# KiCad board ECU.kicad_pcb (continued)
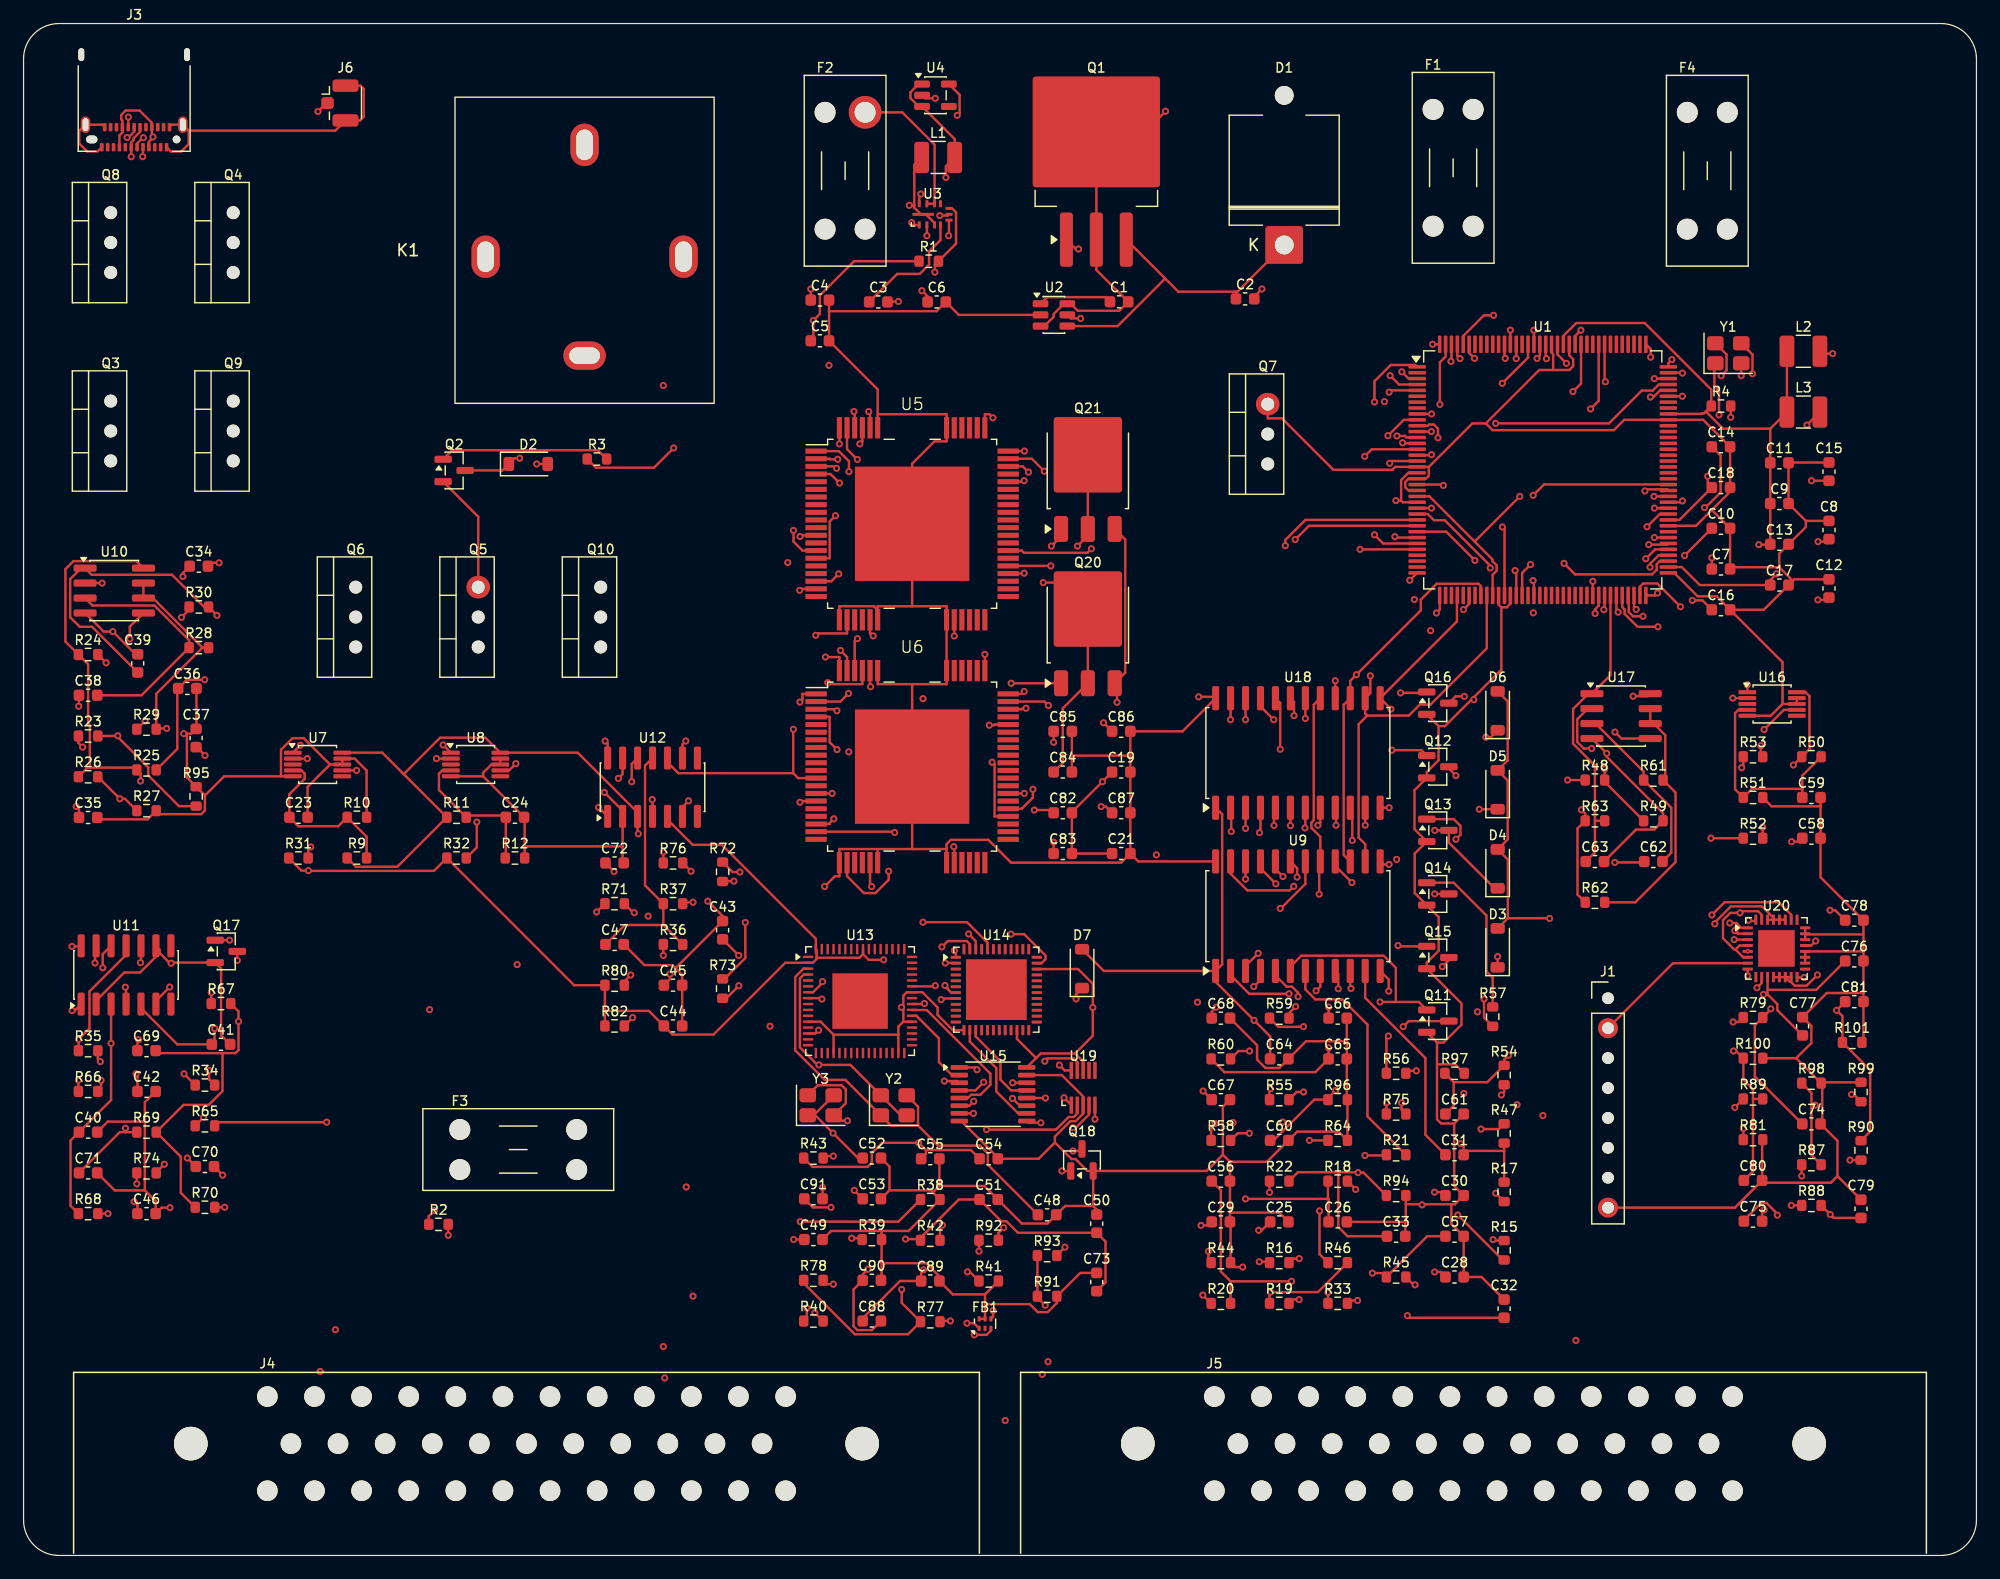
[diagram p0: board, top side]
## Routing (per net, layer and track width the routed paths; a pad name or vN(x,y) marks a point on that pad's centre or on a via; arc(x,y) is an arc through that point) (continued)
VBATT_ADC: length 43.4
  Top w0.2: C58.1 150.72,60.61 v1(150.11,60.61) ; U1.63 v1(133.23,82.72) ; 137.54,62.39 134.23,65.7 R48.2 v1(134.23,66.79)
  In3.Cu w0.2: v1(133.23,82.72) 132.58,82.07 132.58,68.3 134.09,66.79 v1(134.23,66.79)
  In6.Cu w0.2: v1(134.23,66.79) 143.93,66.79 v1(150.11,60.61)
VBATT_IGN: length 199.9
  In2.Cu w0.2: F4.2 F4.2
  In3.Cu w0.2: v1(83.34,11.46) 99.12,27.24 99.12,74.7 117.84,93.43 117.84,99.14 F4.2
  In6.Cu w0.2: J4.13 24.66,11.46 v1(83.34,11.46)
VBATT_INJ: length 28.6
  In1.Cu w0.2: F3.2 F3.2 46.96,27.76 J4.4
VBATT_SW: length 420.1
  Top w0.2: C76.1 152.2,48.03 148.07,48.03 ; U20.31 147.57,54.4 147.25,54.71 145.87,54.71 v1(145.72,54.57) 144.9,54.57 144.28,53.95 144.28,52.41 145.23,51.46 145.35,51.46 ; C25.1 105.12,27.61 v1(104.86,27.61) ; v1(129.56,54.09) 129.54,54.11 126.02,54.11 ; D3.2 126.02,54.11 ; 126.02,54.11 126.02,59.09 D4.2 126,60.81 126,65.81 D5.2 126,67.52 126,72.52 D6.2 ; D7.2 91.71,49.64 U9.1 ; U18.1 101.76,62.94 101.76,50.19 U9.1 ; U20.4 145.69,51.8 145.35,51.46 ; U9.1 101.21,48.71 v1(104.47,45.44) 105.84,44.08 C64.1 ; 145.35,51.46 145.35,51.45 146,50.8 U20.6 ; 148.07,48.03 148.07,47.64 ; 148.07,48.03 U20.11 ; 148.07,47.64 v1(147.73,47.64) ; 148.07,47.64 148.89,46.82 148.89,46.31 151.04,44.16 ; C75.2 147.6,29.18 v1(147.77,29.35)
  In1.Cu w0.2: J5.14 107.1,25.37 v1(104.86,27.61) ; K1.87 45.58,101.89 45.58,44.7 F3.1 F3.1
  In2.Cu w0.2: F3.1 42.32,27.49 75.04,27.49 75.25,27.28 104.53,27.28 v1(104.86,27.61) 106.24,26.23 144.66,26.23 v1(147.77,29.35) ; v1(145.72,54.57) 145.35,54.94 130.41,54.94 v1(129.56,54.09) ; F4.1 F4.1
  In3.Cu w0.2: v1(147.77,29.35) 147.77,47.6 v1(147.73,47.64) 147.73,51.89 145.76,53.85 145.76,54.53 v1(145.72,54.57)
  In5.Cu w0.2: v1(145.72,54.57) 143.93,56.36 143.93,96.05 143.37,96.61 143.37,111.35 F4.1 ; v1(104.47,45.44) 104.86,45.05 v1(104.86,27.61)
VCC_INT: length 15.8
  Top w0.2: v1(66.84,107.54) C4.1 ; U3.5 78.57,112.1 v1(78.54,112.07)
  In2.Cu w0.2: v1(78.54,112.07) 74.01,107.54 v1(66.84,107.54)
VDD_ADC0: length 32.3
  Top w0.2: L2.2 152.71,102.06 v1(153.59,102.06) ; v1(148.82,83.36) 148.29,82.83 C17.1 142.31,82.41 140.78,83.94 U1.74
  In3.Cu w0.2: v1(153.59,102.06) 153.59,88.13 v1(148.82,83.36)
VDD_ADC1: length 17.7
  Top w0.2: U1.82 140.59,87.94 C18.1 142.99,91.03 v1(142.99,91.64) ; v1(151.41,95.99) L3.2
  In4.Cu w0.2: v1(142.99,91.64) 147.06,91.64 v1(151.41,95.99)
VDD_LV_DECOUP: length 77.2
  Top w0.2: C14.1 144.08,93.4 144.08,90.27 142.79,88.98 v1(142.71,88.98) ; 123.2,86.1 124.73,84.56 124.73,84.42 125.07,84.08 125.07,83.63 124.73,83.29 U1.46 ; 123.2,86.1 v1(127.03,89.93) ; 123.2,86.1 119.36,89.94 U1.23 ; C16.1 142.54,81.1 v1(141.68,81.1) ; C15.1 v1(151.8,91.26) ; U1.124 130.23,101.99 v1(130.99,101.23)
  In1.Cu w0.2: v1(130.99,101.23) 142.71,89.51 v1(142.71,88.98)
  In3.Cu w0.2: v1(141.68,81.1) 141.68,87.95 v1(142.71,88.98) ; v1(127.03,89.93) 127.03,97.28 v1(130.99,101.23)
  In4.Cu w0.2: v1(151.8,91.26) 144.99,91.26 v1(142.71,88.98)
VIN: length 180.9
  In2.Cu w0.2: F1.1 F1.1
  In3.Cu w0.2: v1(86.98,16.45) 90,19.47 90,73.62 111.4,95.02 111.4,104.61 F1.1
  In6.Cu w0.2: v1(86.98,16.45) 25.22,16.45 22.26,13.5 J4.1
VIN_FUSED: length 57.7
  Top w0.2: v1(96.95,122.64) 95.2,120.89 Q1.2 Q1.2 91.08,109.16 C1.2 93.03,105.7 89.5,105.7 88.9,106.3 U2.6 88.33,106.3 87.46,105.42 87.46,105.19 86.67,104.4 U2.3
  In2.Cu w0.2: F1.2 F1.2
  In4.Cu w0.2: v1(96.95,122.64) 97.46,122.13 119.01,122.13 F1.2
VIN_LOGIC: length 29.7
  Top w0.2: 76.7,114.79 U3.9 77.34,119.8 74.6,122.55 F2.2 ; v1(76.7,112.07) 76.7,112.99
  In1.Cu w0.2: F2.2 76.73,117.27 76.73,112.1 v1(76.7,112.07)
  In2.Cu w0.2: F2.2 F2.2
VIN_PROT: length 383.5
  Top w0.2: 65.34,66.43 55.59,66.43 54.67,67.35 U12.10 ; 65.34,66.43 65.34,70.14 v1(65.36,70.16) ; 65.34,66.43 65.76,66.01 67.29,66.01 ; 54.36,48.43 54.88,48.94 v1(54.88,49.36) ; U2.4 92.88,104.4 96.92,108.43 ; v1(9.55,40.9) 9.66,40.78 C42.1 ; Q21.3 93.53,86.28 93.53,74.96 Q20.3 92.84,73.87 v1(92.84,72.45) ; 67.29,86.63 66.13,86.63 66.02,86.52 v1(65.92,86.52) ; 102.94,107.32 C2.1 ; 102.94,107.32 103.06,107.32 D1.1 ; 102.94,107.32 98.04,107.32 96.92,108.43 ; 96.92,108.43 Q1.3 ; v1(9.93,50.34) 9.97,50.38 U11.10 ; D2.2 v1(43.56,92.69) ; C21.1 C83.2 C82.2 89.01,63.12 v1(91.6,65.71) C19.1 ; R48.1 v1(131.08,65.85)
  In1.Cu w0.2: v1(65.92,86.52) 65.92,110.5 F2.1 ; v1(9.55,40.9) 9.22,41.23 9.22,49.63 v1(9.93,50.34) ; K1.30 47.63,117.73 42.23,112.34 39.23,112.34 K1.86 ; v1(65.36,70.16) 59.71,64.51 59.71,54.92 54.88,50.09 v1(54.88,49.36)
  In2.Cu w0.2: K1.30 47.63,117.73 62.94,117.73 F2.1 F2.1 105.69,112.63 D1.1
  In3.Cu w0.2: v1(92.84,72.45) 92.84,66.95 v1(91.6,65.71) ; v1(65.36,70.16) 65.34,70.17 65.34,83.99 65.92,84.57 v1(65.92,86.52)
  In4.Cu w0.2: v1(131.08,65.85) 122.9,65.85 116.29,72.45 100.09,72.45 100,72.36 92.93,72.36 v1(92.84,72.45)
  In5.Cu w0.2: v1(43.56,92.69) 43.56,103.9 39.23,108.23 K1.86
  In6.Cu w0.2: v1(9.93,50.34) 9.93,49.96 12.2,47.69 12.64,47.69 13.75,48.8 41.42,48.8 42.5,49.88 54.36,49.88 v1(54.88,49.36) ; v1(65.36,70.16) 65.36,72.76 65.64,73.04 67.67,73.04 68.39,72.32 74.77,72.32 74.94,72.14 76.56,72.14 77.14,72.73 92.56,72.73 v1(92.84,72.45)
APP1_ADC: length 61.7
  Top w0.2: C78.1 153.81,54.79 v1(153.36,54.79) ; 151.79,38.24 151.79,34.01 R87.2 ; 151.79,38.24 v1(152.11,38.24) ; 151.79,38.24 151.79,39.28 R98.1 ; U1.68 135.73,80.53 135.93,80.33 135.93,79.96 137.03,78.86 v1(138.76,78.86)
  In3.Cu w0.2: v1(138.76,78.86) 138.76,69.4 v1(153.36,54.79)
  In5.Cu w0.2: v1(153.36,54.79) 153.36,39.49 v1(152.11,38.24)
APP1_SIG: length 36.9
  Top w0.2: v1(150.97,32.22) R87.1
  In5.Cu w0.2: v1(150.97,32.22) 150.97,31.76 134.98,15.77 134.98,12.93 133.1,11.06 133.1,9.28 129.32,5.5 J5.31
APP2_ADC: length 66.7
  Top w0.2: 156,28.66 153.68,28.66 v1(153.39,28.96) R88.2 ; R99.1 155.38,39.15 v1(155.2,39.15) ; v1(137.5,79.75) 136.64,79.75 136.28,80.12 136.28,81.47 U1.69
  In1.Cu w0.2: v1(153.39,28.96) 154.32,29.89 154.32,39.15 ; v1(155.2,39.15) 154.32,39.15 ; 154.32,39.15 137.64,55.83 137.64,79.61 v1(137.5,79.75)
APP2_SIG: length 32.3
  Top w0.2: R88.1 v1(150.08,29.73)
  In5.Cu w0.2: J5.32 133.34,5.5 137.22,9.38 137.22,10.06 139.1,11.93 139.1,18.32 150.08,29.3 v1(150.08,29.73)
BLE_ABS: length 7.7
  Top w0.2: U15.13 83.84,39.49 82.94,40.4 82.94,41.96 80.84,44.06 U14.15
BLE_ANT: length 111.2
  Top w0.2: v1(24.99,122.62) 25.71,123.34 J6.1 ; C91.2 v1(67.84,31.25)
  In5.Cu w0.2: v1(24.99,122.62) 24.99,74.98 67.84,32.14 v1(67.84,31.25)
BLE_FAB: length 9.5
  Top w0.2: U15.10 84.45,37.54 82.59,39.4 82.59,41.38 80.34,43.63 U14.14
BLE_OSC_A: length 33.2
  Top w0.2: 67.15,37.44 Y3.3 ; 67.15,37.44 67.08,37.38 Y3.1 ; 67.15,37.44 v1(68.73,35.86) 70.84,33.75 C52.1 ; U14.46 80.84,52.17 v1(80.24,52.77)
  In1.Cu w0.2: v1(68.73,35.86) 69.71,35.86 70.7,36.85 70.7,43.6 78.02,50.92 78.56,50.92 78.66,50.82 79.26,50.82 80.24,51.8 v1(80.24,52.77)
BLE_OSC_B: length 36.1
  Top w0.2: C53.1 v1(70.53,31.01) ; U14.47 80.34,51.91 80.08,52.17 78.47,52.17 v1(77.97,51.68) ; Y3.4 67.43,39.93 69.45,39.93 69.81,39.57 69.81,38.41 Y3.2 69.24,36.91 v1(69.94,36.91)
  In3.Cu w0.2: v1(70.53,31.01) 69.94,31.59 v1(69.94,36.91)
  In5.Cu w0.2: v1(77.97,51.68) 69.94,43.65 v1(69.94,36.91)
BLE_RESET_N: length 34.8
  Top w0.2: v1(68.75,33.91) 68.05,33.91 R43.2 ; v1(83.83,52.76) 84.95,52.76 86.76,50.94 86.76,50.63 86.43,50.3 U14.35
  In5.Cu w0.2: v1(83.83,52.76) 83.3,52.22 78.57,52.22 78.48,52.32 77.77,52.32 68.12,42.66 68.12,34.54 v1(68.75,33.91)
BLE_RF_N: length 35.5
  Top w0.2: v1(78.25,50.31) 79.14,50.31 U14.2 ; v1(80.72,18.73) 81.76,18.73 82.13,19.1 FB1.3
  In1.Cu w0.2: v1(80.72,18.73) 80.3,18.73 79.54,19.49 79.54,49.02 v1(78.25,50.31)
BLE_RF_OUT: length 19.9
  Top w0.2: v1(80.09,19.72) 80.69,19.72 FB1.1 ; 66.28,30.29 67.01,29.56 v1(68.55,29.56)
  In5.Cu w0.2: v1(68.55,29.56) 75.1,23 75.1,22.66 78.44,19.32 79.69,19.32 v1(80.09,19.72)
BLE_RF_P: length 33.4
  Top w0.2: U14.1 79.15,51.25 v1(79.02,51.38) ; FB1.4 82.32,20.28 v1(82.32,20.79)
  In5.Cu w0.2: v1(82.32,20.79) 82.32,48.09 v1(79.02,51.38)
BLE_RXD: length 12.5
  Top w0.2: v1(80.68,38.57) 80.3,38.19 U15.6 ; v1(77.9,47.2) 78,47.3 U14.8
  In5.Cu w0.2: v1(80.68,38.57) 77.9,41.34 v1(77.9,47.2)
BLE_TXD: length 10.9
  Top w0.2: v1(78.18,40.28) 79.31,40.28 U15.3 ; U14.7 78.76,47.8 78.45,48.11 78.45,48.19 v1(78.23,48.41)
  In1.Cu w0.2: v1(78.23,48.41) 78.46,48.17 78.46,40.57 v1(78.18,40.28)
BOOST_CTRL: length 126.6
  Top w0.2: U1.109 138.14,102.44 v1(138.14,101.75) ; v1(54.32,59.74) R76.1
  In1.Cu w0.2: v1(54.32,59.74) v1(54.32,99.35)
  In4.Cu w0.2: v1(138.14,101.75) 136.69,100.3 117.59,100.3 116.63,99.35 v1(54.32,99.35)
BOOST_GATE: length 44.1
  Top w0.2: R76.2 v1(56.67,58.1) ; Q18.1 v1(88.16,32.65)
  In3.Cu w0.2: v1(88.16,32.65) 81.56,32.65 58.64,55.57 58.64,56.13 v1(56.67,58.1)
BOOST_OUT: length 66.2
  Top w0.2: Q18.3 89.69,34.35 v1(89.1,34.35) ; D7.1 89.36,47.67 v1(89.36,47.26)
  In3.Cu w0.2: J4.32 52.92,5.5 56.7,9.28 56.7,11.06 58.51,12.87 58.51,13.55 62.15,17.19 74.03,17.19 89.1,32.26 v1(89.1,34.35) 89.65,34.9 89.65,46.97 v1(89.36,47.26)
BOOT_ABS: length 90.7
  Top w0.2: v1(86.76,38.84) U15.12 ; U1.105 138.83,99.44 138.32,98.92 137.39,98.92 134.61,96.14 v1(124.98,96.14)
  In5.Cu w0.2: v1(124.98,96.14) 87.27,58.43 87.27,39.35 v1(86.76,38.84)
BOOT_CAP: length 10.2
  Top w0.2: U3.4 77.84,111.7 76.88,110.73 76.88,109.62 76.08,108.82 74.17,108.82 C3.1
BOOT_FAB: length 99.8
  Top w0.2: U15.9 85.32,36.74 v1(86.37,36.74) ; U1.106 v1(138.45,99.94)
  In1.Cu w0.2: v1(115.54,97.98) 115.54,97.48 112.04,93.99 112.04,87.93 86.09,61.99 86.09,37.02 v1(86.37,36.74)
  In4.Cu w0.2: v1(138.45,99.94) 136.73,98.22 120.55,98.22 120.47,98.3 120.02,98.3 119.7,97.98 v1(115.54,97.98)
CAM2_BIAS: length 18
  Top w0.2: U16.4 145.59,71.81 145.31,71.52 145.31,65.06 R51.1 146.73,65.09 151.02,65.09 ; 151.02,65.09 C59.1 ; 151.02,65.09 151.02,66.23 R50.2
CAM2_COUT: length 56.6
  Top w0.2: U16.7 149.45,71.81 v1(147.77,70.13) ; v1(147.66,61.85) R52.2 ; v1(128.23,104.05) U1.128
  In1.Cu w0.2: v1(147.66,61.85) 148.08,62.27 148.08,69.83 v1(147.77,70.13) 147.15,70.76 147.15,85.23 146.77,85.6 146.77,86.23 128.95,104.05 v1(128.23,104.05)
CAM2_VR_HI: length 147.2
  Top w0.2: v1(146.35,73.94) U16.1
  In4.Cu w0.2: v1(146.35,73.94) 145.32,73.94 125.35,53.96 105.5,53.96 79.02,27.49 52.45,27.49 39.14,14.18 39.14,13.72 36.48,11.06 34.04,11.06 32.7,9.72 32.7,9.28 28.92,5.5 J4.26
CAM2_VR_LO: length 142.1
  Top w0.2: U16.2 v1(145.12,72.81)
  In4.Cu w0.2: v1(145.12,72.81) 121.39,49.08 120.06,49.08 100.36,29.38 81.51,29.38 77.35,25.22 54.2,25.22 42.7,13.72 42.7,13.28 41.32,11.9 38.88,11.9 36.7,9.72 36.7,9.28 32.92,5.5 J4.27
CAM_BIAS: length 12.8
  Top w0.2: R12.1 40.94,59.28 C24.1 40.79,62.84 37.74,62.84 R11.2 35.27,65 35.27,66.38 35.55,66.67 U8.4
CAM_COUT: length 103.8
  Top w0.2: v1(38.48,62.28) 38.48,60.12 R32.2 ; v1(120.09,94.91) 120.09,95.68 119.73,96.04 119.33,96.04 119.23,95.94 U1.11 ; v1(41.8,67.24) 41.22,66.67 U8.7
  In1.Cu w0.2: v1(38.48,62.28) 38.48,63.92 v1(41.8,67.24)
  In6.Cu w0.2: v1(41.8,67.24) 45.77,67.24 64.1,85.57 65.95,85.57 67.01,86.62 106.37,86.62 113.65,93.9 119.08,93.9 v1(120.09,94.91)
CAM_VR_HI: length 70.6
  Top w0.2: U8.1 v1(35.62,68.82)
  In3.Cu w0.2: v1(35.62,68.82) 35.37,68.82 24.73,58.19 24.73,57.93 22.26,55.46 22.26,11.49 20.7,9.93 J4.24
CAM_VR_LO: length 68
  Top w0.2: v1(35.06,67.67) U8.2
  In1.Cu w0.2: v1(35.06,67.67) 35.06,45.33 25.92,36.2 25.92,14.77 26.27,14.42 26.27,11.91 24.7,10.33 J4.25
CAN0_EN: length 135.3
  Top w0.2: v1(117.08,94.49) 117.13,94.44 U1.14 ; U11.6 11.24,47.1 v1(12.41,48.27)
  In3.Cu w0.2: v1(117.08,94.49) 116.94,94.49 115.43,92.97 115.43,92.73 96.17,73.48 v1(96.17,59.49)
  In6.Cu w0.2: v1(12.41,48.27) 22.96,58.82 95.51,58.82 v1(96.17,59.49)
CAN0_H: length 126.6
  Top w0.2: v1(6.06,50.32) 6.06,51.68 U11.13 ; v1(13.62,40.9) R34.1
  In5.Cu w0.2: v1(6.06,50.32) 6.06,48.46 v1(13.62,40.9)
  In6.Cu w0.2: J5.15 109.54,11.06 105.32,11.06 102.73,13.65 102.73,14.88 83.15,34.46 20.06,34.46 v1(13.62,40.9)
CAN0_L: length 133.7
  Top w0.2: U11.12 6.72,51.06 v1(6.72,49.91) ; R35.2 6.31,42.15 6.52,41.94 v1(6.52,41.94)
  In1.Cu w0.2: v1(6.52,41.94) 6.72,42.14 v1(6.72,49.91)
  In6.Cu w0.2: J5.16 114.88,9.5 111.1,13.28 111.1,13.72 89.05,35.78 84.68,35.78 78.25,42.21 6.79,42.21 v1(6.52,41.94)
CAN0_RX: length 127.9
  Top w0.2: v1(8.64,48.26) 8.7,48.2 U11.4 ; v1(107.12,85.75) 107.12,86.23 108.83,87.94 U1.27
  In2.Cu w0.2: v1(107.12,85.75) 105.32,85.75 90.92,71.35 82.42,71.35 82.37,71.41 81.62,71.41 81.39,71.18 31.57,71.18 v1(8.64,48.26)
CAN0_SPLIT: length 39.1
  Top w0.2: U11.11 8.7,51 5.6,47.89 5.6,44.75 v1(4.68,43.83) 4.68,42.89 R35.1 ; C46.1 9.66,29.77 v1(9.38,30.05) ; v1(15.75,41.18) 15.75,40.42 R34.2
  In1.Cu w0.2: v1(15.75,41.18) 10.54,35.96 10.54,31.2 v1(9.38,30.05)
  In2.Cu w0.2: v1(4.68,43.83) 6.02,42.49 14.44,42.49 v1(15.75,41.18)
CAN0_STB_N: length 132.5
  Top w0.2: U1.15 114.47,93.94 v1(113.87,93.34) ; U11.14 4.84,51.72 v1(4.11,51.72)
  In6.Cu w0.2: v1(113.87,93.34) 106.8,86.27 69.52,86.27 68.47,85.21 64.51,85.21 42.34,63.04 15.43,63.04 v1(4.11,51.72)
CAN0_TX: length 132.3
  Top w0.2: U1.28 109.13,87.44 v1(107.96,86.27) ; U11.1 4.34,46.27 v1(4.12,46.27)
  In2.Cu w0.2: v1(107.96,86.27) 107.91,86.32 89.14,86.32 87.58,84.75 87.1,84.75 74.63,72.28 66.51,72.28 66.14,71.91 29.76,71.91 v1(4.12,46.27)
CAN1_EN: length 84.9
  Top w0.2: v1(119.53,93.47) 119.49,93.44 U1.16 ; v1(56.46,64.08) 55.94,63.56 U12.6
  In3.Cu w0.2: v1(64.88,84.31) 64.88,72.5 v1(56.46,64.08)
  In6.Cu w0.2: v1(64.88,84.31) 68.73,84.31 69,84.58 110.64,84.58 v1(119.53,93.47)
CAN1_H: length 121.1
  Top w0.2: v1(50.5,65.99) 50.86,66.35 U12.13 ; v1(54.32,50.95) R36.1
  In2.Cu w0.2: v1(54.32,17.74) 107.08,17.74 111.1,13.72 111.1,13.28 113.26,11.12 117.48,11.12 J5.17
  In3.Cu w0.2: v1(54.32,50.95) v1(54.32,17.74)
  In5.Cu w0.2: v1(50.5,65.99) 50.81,65.68 50.81,54.46 v1(54.32,50.95)
CAN1_L: length 120.7
  Top w0.2: U12.12 51.64,67.22 v1(51.64,65.7) ; v1(56.84,55.47) 56.09,55.47 R37.2
  In1.Cu w0.2: v1(56.84,55.47) 51.64,60.67 v1(51.64,65.7)
  In2.Cu w0.2: J5.18 120.7,11.9 116.48,11.9 115.1,13.28 115.1,13.72 108.76,20.07 80.52,20.07 78.57,22.02 v1(56.84,22.02)
  In3.Cu w0.2: v1(56.84,55.47) v1(56.84,22.02)
CAN1_RX: length 101.3
  Top w0.2: U12.4 53.4,64.17 v1(53.37,64.19) ; v1(134.3,99.66) 134.23,99.73 U1.116
  In6.Cu w0.2: v1(134.3,99.66) 134.3,97.84 126.98,90.52 126.83,90.52 118.16,81.84 117.85,81.84 110.92,74.92 64.1,74.92 v1(53.37,64.19)
CAN1_SPLIT: length 23
  Top w0.2: C47.1 51.05,53.54 54.32,53.54 ; 54.32,53.54 R36.2 ; 54.32,53.54 R37.1 52.77,56.9 52.77,67.08 U12.11
CAN1_STB_N: length 80.6
  Top w0.2: U12.14 49.59,68.94 v1(49.38,69.15) ; v1(115.98,92.74) 116.17,92.94 U1.17
  In6.Cu w0.2: v1(115.98,92.74) 108.17,84.93 68.68,84.93 68.61,84.86 64.65,84.86 49.38,69.59 v1(49.38,69.15)
CAN1_TX: length 105.2
  Top w0.2: U1.117 133.73,98.05 v1(133.03,97.36) ; v1(48.83,63.52) U12.1
  In6.Cu w0.2: v1(133.03,97.36) 117.87,82.19 86.93,82.19 86.8,82.07 67.22,82.07 51.05,65.9 51.05,65.75 v1(48.83,63.52)
CJ2_CF: length 121
  Top w0.2: v1(103.75,70.97) 103.75,70.97 U18.22 ; v1(25.73,36.79) 16.53,36.79 R65.2 ; v1(100.14,39.44) C67.1
  In1.Cu w0.2: v1(103.75,70.97) 100.22,67.44 100.22,39.51 v1(100.14,39.44)
  In2.Cu w0.2: v1(25.73,36.79) 28.38,39.44 v1(100.14,39.44)
CJ2_CM: length 115.1
  Top w0.2: v1(9.78,43.8) 9.66,43.69 C69.1 ; U18.11 v1(113.91,62.01)
  In6.Cu w0.2: v1(113.91,62.01) 113.91,60.86 104.73,51.68 104.59,51.68 100.22,47.31 100.22,46.75 97.27,43.8 v1(9.78,43.8)
CJ2_OSZ: length 31.5
  Top w0.2: 106.28,63.5 106.16,63.37 v1(106.16,61.99) ; R64.1 v1(109.17,35.25)
  In1.Cu w0.2: v1(106.16,61.99) 105.72,61.55 105.72,42.83 107.45,41.11 107.45,37.16 109.17,35.44 v1(109.17,35.25)
CJ2_RF: length 104.3
  Top w0.2: U18.23 v1(102.47,70.97) ; v1(15.28,37.19) R65.1
  In2.Cu w0.2: v1(15.28,37.19) 48.92,70.83 81.53,70.83 81.76,71.06 82.22,71.06 82.28,71 91.07,71 91.35,71.29 102.16,71.29 v1(102.47,70.97)
CJ2_RM: length 106.3
  Top w0.2: v1(112.81,60.72) 112.81,63.32 U18.10 ; R67.1 v1(15.94,47.81)
  In6.Cu w0.2: v1(15.94,47.81) 78.41,47.81 78.59,47.99 100.4,47.99 104.45,52.03 104.58,52.03 112.81,60.26 v1(112.81,60.72)
CJ2_RST_N: length 120.4
  Top w0.2: C70.1 v1(13.9,33.75) ; U18.8 110.09,62.21 v1(109.89,62.01) ; R68.2 v1(7.17,29.03)
  In1.Cu w0.2: v1(13.9,33.75) 9.18,29.03 v1(7.17,29.03)
  In2.Cu w0.2: v1(13.9,33.75) 42.13,61.98 86.26,61.98 86.97,62.68 109.22,62.68 v1(109.89,62.01)
CJ2_UA: length 29.6
  Top w0.2: U18.21 105.02,72.09 v1(106.14,70.97) ; C66.1 v1(110.79,46.57)
  In1.Cu w0.2: v1(106.14,70.97) 110.79,66.31 v1(110.79,46.57)
CJ2_UN: length 113
  Top w0.2: v1(102.53,61.48) 102.53,63.44 U18.2 ; v1(8.65,36.28) 8.65,35.95 ; 8.65,35.95 R69.1 ; 8.65,35.95 8.16,35.95 C71.1
  In4.Cu w0.2: v1(102.53,61.48) 94.03,61.48 71.31,38.76 11.13,38.76 v1(8.65,36.28)
CJ2_UR: length 24.9
  Top w0.2: U18.12 v1(115.94,63.5) ; C68.1 100.88,46.17 v1(101.27,46.56)
  In3.Cu w0.2: v1(115.94,63.5) 115.94,61.23 v1(101.27,46.56)
CJ_CF: length 59.9
  Top w0.2: C29.1 100.58,28.03 v1(99.97,28.03) ; v1(124.76,26.82) 124.84,26.74 R15.2 ; U9.22 v1(103.75,57.43)
  In2.Cu w0.2: v1(124.76,26.82) 123.38,28.2 100.14,28.2 v1(99.97,28.03)
  In5.Cu w0.2: v1(99.97,28.03) 103.51,31.57 103.51,57.19 v1(103.75,57.43)
CJ_CM: length 18.4
  Top w0.2: C31.1 119.02,35.72 119.02,42.24 113.91,47.35 U9.11
CJ_OSZ: length 29.2
  Top w0.2: 106.28,49.64 106.28,49.25 107.23,48.3 107.69,48.3 108.21,47.78 v1(108.21,47.45) ; v1(100.59,25.82) 100.59,25.1 R44.1
  In3.Cu w0.2: v1(108.21,47.45) 108.02,47.45 107.24,46.67 107.24,43.86 100.59,37.22 v1(100.59,25.82)
CJ_RF: length 46.4
  Top w0.2: U9.23 102.47,57.89 103.89,56.47 107.49,56.47 v1(107.84,56.82) ; v1(121.77,28.91) 125.58,25.09 125.7,25.09
  In1.Cu w0.2: v1(121.77,28.91) 121.13,29.54 121.13,35.43 110.22,46.34 110.22,47.37 110.31,47.45 110.31,54.36 v1(107.84,56.82)
CJ_RM: length 25
  Top w0.2: v1(124.99,30.76) 125.7,30.05 ; U9.10 112.64,48.21 v1(112.7,48.15)
  In1.Cu w0.2: v1(124.99,30.76) 124.99,35.74 121.73,39.01 121.73,39.03 112.7,48.06 v1(112.7,48.15)
CJ_RST_N: length 41.9
  Top w0.2: v1(109.74,47.94) 110.09,48.3 U9.8 ; R18.2 v1(113.1,31.09) ; v1(117.49,20.37) 117.67,20.18 C32.1
  In1.Cu w0.2: v1(113.1,31.09) 117.49,26.69 v1(117.49,20.37)
  In5.Cu w0.2: v1(109.74,47.94) 109.74,34.44 v1(113.1,31.09)
CJ_UA: length 42.2
  Top w0.2: C28.1 120.29,24.07 v1(119.8,24.07) ; U9.21 105.02,58.34 v1(106.32,57.04)
  In1.Cu w0.2: v1(106.32,57.04) 106.14,56.86 106.14,43.14 119.8,29.48 v1(119.8,24.07)
CJ_UN: length 40.4
  Top w0.2: v1(114.51,23.97) 115.38,23.97 R45.1 119.16,27.11 C57.1 ; U9.2 102.47,49.28 104.06,47.69 v1(107.44,47.69)
  In5.Cu w0.2: v1(114.51,23.97) 107.45,31.04 107.45,47.68 v1(107.44,47.69)
CJ_UR: length 21.7
  Top w0.2: v1(115.9,47.92) 115.9,48.91 U9.12 ; v1(119.79,30.85) 120.43,30.85 C30.1
  In3.Cu w0.2: v1(115.9,47.92) 119.79,44.03 v1(119.79,30.85)
CLT_ADC: length 208.9
  Top w0.2: U1.77 138.53,85.44 v1(137.73,84.64) ; R25.2 13.05,68.49 13.05,73.55 C36.1 13.86,74.36 v1(15.38,74.36)
  In3.Cu w0.2: J5.6 121.1,42.78 122.17,43.84 122.17,61.88 118.07,65.97 v1(118.07,81.18)
  In4.Cu w0.2: v1(15.38,74.36) 16.04,75.02 82.31,75.02 88.47,81.18 v1(118.07,81.18) 118.18,81.29 132.89,81.29 136.24,84.64 v1(137.73,84.64)
CRANK_BIAS: length 15
  Top w0.2: R9.2 29.12,61.04 R10.1 26.71,61.92 23.33,61.92 C23.1 22.56,64.64 23.86,65.94 23.86,66.39 23.59,66.67 U7.4
CRANK_COUT: length 111.6
  Top w0.2: U7.7 28.27,66.67 v1(28.27,66.66) ; v1(122.25,80.32) 122.73,80.8 U1.42 ; R31.2 24.16,59.95 v1(24.38,60.17)
  In1.Cu w0.2: v1(28.27,66.66) 24.38,62.78 v1(24.38,60.17)
  In4.Cu w0.2: v1(122.25,80.32) 121.98,80.58 118.75,80.58 118.45,80.28 88.56,80.28 74.95,66.66 v1(28.27,66.66)
CRANK_VR_HI: length 74.8
  Top w0.2: v1(23.49,68.8) U7.1
  In5.Cu w0.2: v1(23.49,68.8) 23.49,65.69 58.7,30.49 J4.22
CRANK_VR_LO: length 75.4
  Top w0.2: U7.2 v1(24.09,67.67)
  In5.Cu w0.2: J4.23 62.7,28.6 24.09,67.22 v1(24.09,67.67)
EGT_AIN0: length 30.6
  Top w0.2: v1(76.41,24.25) 76.21,24.05 C89.1 74.42,23.31 71.25,20.14 C88.1 ; R92.2 82.77,27.39 v1(83.21,27.83) ; U19.4 90.46,37.45 89.34,36.33 v1(89.1,36.33)
  In3.Cu w0.2: v1(83.21,27.83) 79.99,27.83 v1(76.41,24.25)
  In5.Cu w0.2: v1(83.21,27.83) 83.21,30.44 v1(89.1,36.33)
EGT_AIN1: length 39.7
  Top w0.2: C88.2 72.02,19.13 70.79,19.13 70.47,19.46 70.47,22.59 C90.1 71.25,23.86 v1(71.69,24.31) ; R93.2 87.72,25.49 v1(88.41,26.18) ; U19.5 v1(90.96,37.05)
  In1.Cu w0.2: v1(90.96,37.05) 90.96,28.73 v1(88.41,26.18)
  In4.Cu w0.2: v1(71.69,24.31) 72.2,24.81 87.04,24.81 v1(88.41,26.18)
EGT_TC_M: length 66.2
  Top w0.2: v1(86.74,21.25) 86.08,21.91 R91.1 R93.1
  In2.Cu w0.2: J5.34 138.7,7.9 134.48,7.9 133.45,8.93 133.45,9.87 131.47,11.85 128.53,11.85 127.1,13.28 127.1,13.73 119.73,21.1 86.88,21.1 v1(86.74,21.25)
EGT_TC_P: length 80.7
  Top w0.2: R92.1 v1(81.11,25.83) ; R78.2 68.21,23.04 v1(68.75,23.04)
  In2.Cu w0.2: J5.33 136.39,5.5 132.98,8.91 132.98,9.85 131.76,11.06 125.25,11.06 123.1,13.21 123.1,13.72 116.29,20.53 86.42,20.53 v1(81.11,25.83) 71.54,25.83 v1(68.75,23.04)
ETC_CCP: length 30.9
  Top w0.2: v1(146.45,53.95) 146.38,53.88 146.96,53.88 U20.32 ; v1(148.89,28.89) 148.89,29.02 147.98,29.93 147.52,29.93 146.05,28.46 C75.1
  In3.Cu w0.2: v1(146.45,53.95) 148.89,51.51 v1(148.89,28.89)
ETC_D1: length 53.7
  Top w0.2: v1(119.53,88.94) U1.25 ; U20.26 150.07,54.41 149.02,55.47 144.41,55.47 v1(143.33,54.39)
  In3.Cu w0.2: v1(143.33,54.39) 122.8,74.93 122.8,80.61 119.53,83.87 v1(119.53,88.94)
ETC_D2: length 55.6
  Top w0.2: U20.16 150.6,49.08 v1(151.17,49.08) ; U1.26 119.22,88.44 119.75,87.91 120.65,87.91 124.52,84.05 v1(124.52,83.85)
  In3.Cu w0.2: v1(151.17,49.08) 151.17,50 144.55,56.63 143.61,56.63 130.18,70.05 130.18,78.84 125.16,83.85 v1(124.52,83.85)
ETC_EN: length 53.2
  Top w0.2: v1(123.22,84.5) 120.78,86.94 U1.29 ; v1(147.17,48.21) 147.57,48.61 U20.10
  In3.Cu w0.2: v1(123.22,84.5) 123.22,83.73 128.42,78.53 128.42,70.93 145.41,53.93 145.41,53.71 147.17,51.95 v1(147.17,48.21)
ETC_IFB_ADC: length 57.9
  Top w0.2: v1(146.01,36.26) R81.1 ; U1.79 v1(138.45,86.44) ; U20.8 v1(146.38,49.21)
  In3.Cu w0.2: v1(146.01,36.26) 144.53,37.74 144.53,47.36 v1(146.38,49.21)
  In5.Cu w0.2: v1(138.45,86.44) 138.64,86.25 138.64,82.42 138.18,81.96 138.18,57.42 v1(146.38,49.21)
ETC_IN1: length 61.1
  Top w0.2: U20.2 145.54,52.8 v1(145.29,53.05) ; U1.139 122.73,102.11 v1(123.19,101.66)
  In3.Cu w0.2: v1(123.19,101.66) 122.67,101.14 122.67,81.32 128.07,75.92 128.07,70.7 144.15,54.62 144.15,53.6 144.7,53.05 v1(145.29,53.05)
ETC_IN2: length 66.6
  Top w0.2: U20.1 145.82,53.3 145.42,53.7 v1(144.86,53.7) ; U1.140 122.23,103.56 123.98,105.31 v1(124.8,105.31)
  In1.Cu w0.2: v1(124.8,105.31) 126,105.31 129.05,102.26 129.46,102.26 130.43,101.29 130.43,100.79 140.11,91.12 140.11,58.46 v1(144.86,53.7)
ETC_MOTOR_A: length 133.1
  Top w0.2: U20.14 149.94,48.73 150.02,48.73 150.37,48.38 151.39,48.38 v1(152.29,49.29) ; U20.14 U20.15 ; U20.14 U20.13 U20.12
  In3.Cu w0.2: J4.30 46.88,7.67 51.16,7.67 53.11,9.62 53.11,11.06 54.43,12.39 v1(54.43,15.08)
  In4.Cu w0.2: v1(152.29,49.29) 146.51,43.51 130.93,43.51 124.92,37.5 116.34,37.5 107.75,28.91 99.89,28.91 94.47,23.49 78.9,23.49 70.49,15.08 v1(54.43,15.08)
ETC_MOTOR_B: length 136.7
  Top w0.2: U20.29 148.57,54.14 147.6,55.12 144.95,55.12 143.59,53.75 v1(143.59,53.64) ; U20.29 U20.28 U20.27 ; U20.29 U20.30
  In3.Cu w0.2: v1(131.8,18.26) 143.59,30.05 v1(143.59,53.64)
  In4.Cu w0.2: J4.31 50.26,7.06 89.44,7.06 93.81,11.43 125.25,11.43 127.18,13.35 127.18,13.84 131.6,18.26 v1(131.8,18.26)
ETC_SF_N: length 153.6
  Top w0.2: v1(152.16,52.18) 151.77,51.8 U20.21 ; U1.30 116.5,86.44 v1(116.42,86.51) ; 51.01,44.97 v1(51.71,45.67)
  In2.Cu w0.2: v1(152.16,52.18) 148.24,52.18 145.14,49.08 101.77,49.08 v1(99.67,46.98)
  In3.Cu w0.2: v1(116.42,86.51) 116.42,75.01 105.61,64.2 105.61,52.92 v1(99.67,46.98)
  In6.Cu w0.2: v1(51.71,45.67) 98.36,45.67 v1(99.67,46.98)
EXTAL: length 29.5
  Top w0.2: v1(126.63,83.64) 126.73,83.54 U1.50 ; Y1.1 143.55,101.16 143.55,99.31 143.94,98.92 v1(143.94,96.86)
  In4.Cu w0.2: v1(126.63,83.64) 139.85,96.86 v1(143.94,96.86)
FB: length 107.4
  Top w0.2: v1(34.89,29.29) 34.41,28.81 34.41,28.12 ; v1(77.37,108.98) 77.37,109.6 R1.2 79.17,111.4 79.17,114.05 78.83,114.39 U3.7
  In1.Cu w0.2: v1(34.89,29.29) 35.94,29.29 39.49,32.84 39.49,38.02 51.65,50.18 52.36,50.18 57.42,55.24 57.42,76.07 66.64,85.29 66.64,100.18 75.44,108.98 v1(77.37,108.98)
FLEXFUEL_SIG: length 168.9
  Top w0.2: v1(140.83,98.44) U1.103 ; v1(51.55,49.29) 51.01,48.74 51.01,48.43 ; v1(148.34,46.42) 148.34,46.37 R79.2 146.98,45.02 146.98,40.68 C74.1
  In1.Cu w0.2: v1(148.34,46.42) 148.48,46.57 148.48,70.34 147.87,70.95 147.87,86.06 147.5,86.44 147.5,91.77 v1(140.83,98.44)
  In2.Cu w0.2: v1(51.55,49.29) 55.33,45.51 101.64,45.51 102.12,46 105.84,46 106.37,45.46 117.54,45.46 117.76,45.23 126.46,45.23 127.31,46.08 148,46.08 v1(148.34,46.42)
FLEXFUEL_SIG_RAW: length 42.2
  Top w0.2: v1(145.14,45.3) 145.62,45.3 R79.1
  In3.Cu w0.2: v1(145.14,45.3) 146.72,43.72 146.72,7.12 J5.35